# Altium PCB PCB.PcbDoc
Units mm, origin at the board's own origin, x right, y up, seen from the top; angles counter-clockwise.
Board outline 85 x 56 mm, 2 copper layers (Top Layer, Bottom Layer), stack 1.271 mm thick; 82 components, 64 nets, 335 pads, 236 vias.
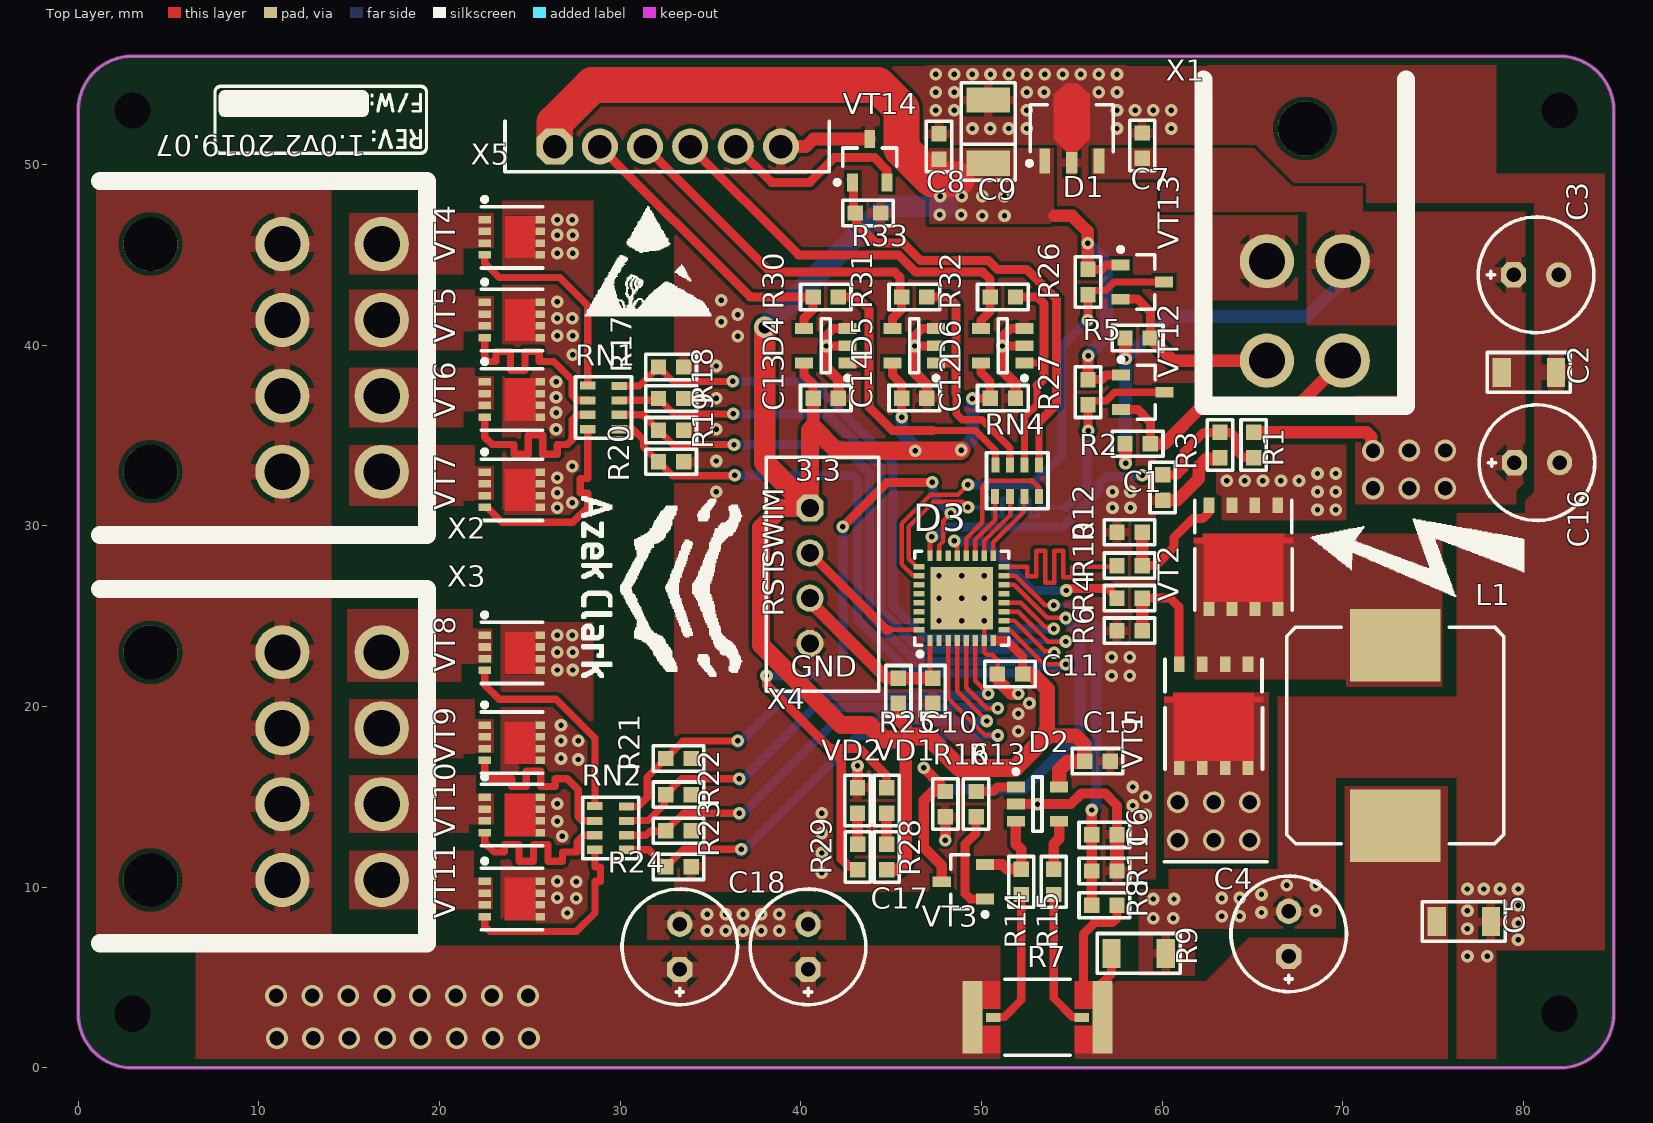
[diagram p0: Top Layer view]
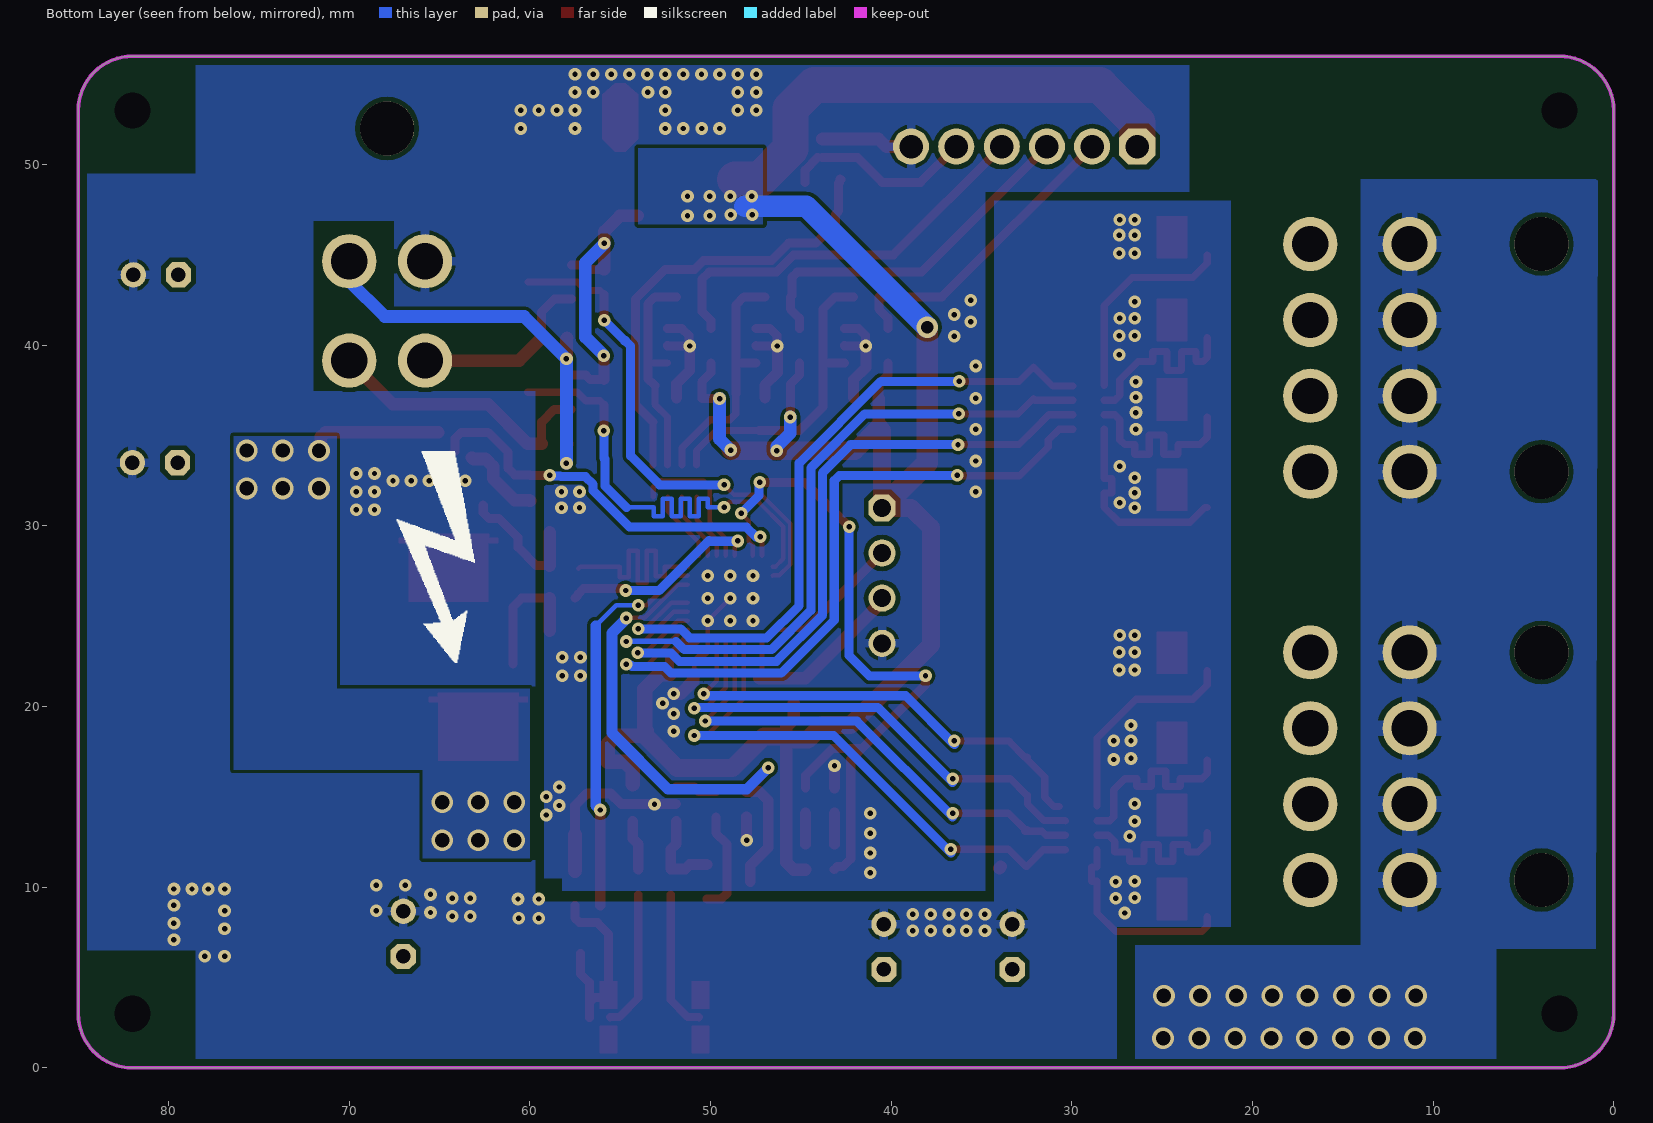
[diagram p1: Bottom Layer view, seen from below]
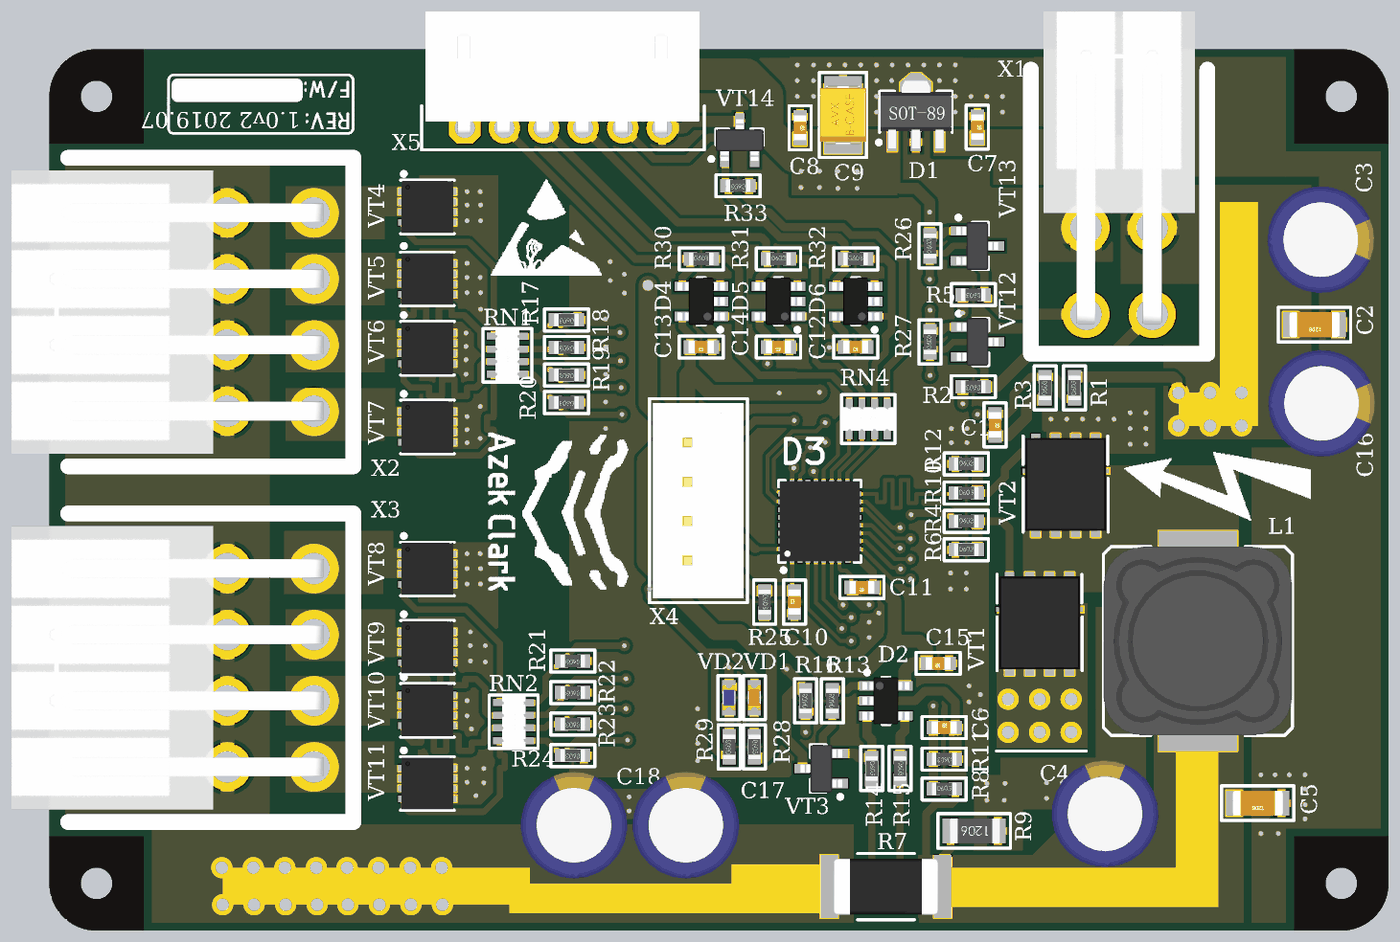
[diagram p2: 3D render of the assembled board from above, using the file's embedded part models]

## Layer stack, top to bottom
Top Solder: solder mask 0.0102, Solder Resist, Dk 3.5
Top Layer: signal copper 0.0356
Dielectric 1: dielectric 1.2, FR-4, Dk 4.8
Bottom Layer: signal copper 0.0356
Bottom Solder: solder mask 0.0102, Solder Resist, Dk 3.5

## Board outline
3,0 cw(c3,3) 0,3 0,53 cw(c3,53) 3,56 82,56 cw(c82,53) 85,53 85,3 cw(c82,3) 82,0

## Design rules (kind name [scope] priority, off if disabled: settings)
BoardOutlineClearance [All] p1: gap=0.3 ignorepadtopadclearanceinfootprint=FALSE
Clearance Clearance_9 [InNamedPolygon('VCC33_L02_P030')] p1: gap=0.2 ignorepadtopadclearanceinfootprint=FALSE except(0: Arc-Fill Arc-Poly Arc-Region Arc-Hole Track-Fill Track-Poly Track-Region Track-Hole SMDPad-Hole THPad-Hole Via-Hole Fill-Hole Poly-Hole Region-Hole Text-Hole)
Clearance Clearance_8 [InNamedPolygon('VCC33_L01_P028')] p2: gap=0.2 ignorepadtopadclearanceinfootprint=FALSE except(0: Arc-Hole Track-Poly Track-Hole SMDPad-Poly SMDPad-Hole THPad-Hole Via-Hole Fill-Hole Poly-Hole Region-Hole Text-Hole)
Clearance Clearance_7 [InNamedPolygon('GND_L01_P020')] p3: gap=0.2 ignorepadtopadclearanceinfootprint=FALSE except(0: Arc-Hole Track-Hole SMDPad-Hole THPad-Hole Via-Hole Fill-Fill Fill-Poly Fill-Region Fill-Hole Poly-Poly Poly-Region Poly-Hole Region-Region Region-Hole Text-Hole)
Clearance Clearance_6 [InNamedPolygon('GND_L01_P024')] p4: gap=0.2 ignorepadtopadclearanceinfootprint=FALSE except(0: Arc-Hole Track-Hole SMDPad-Hole THPad-Hole Via-Hole Fill-Fill Fill-Poly Fill-Region Fill-Hole Poly-Poly Poly-Region Poly-Hole Region-Region Region-Hole Text-Hole)
Clearance Clearance_5 [InNamedPolygon('NONET_L01_P052')] p5: gap=0.2 ignorepadtopadclearanceinfootprint=FALSE except(0: Arc-Hole Track-Hole SMDPad-Hole THPad-Hole Via-Hole Fill-Fill Fill-Poly Fill-Region Fill-Hole Poly-Poly Poly-Region Poly-Hole Region-Region Region-Hole Text-Hole)
Clearance Clearance_4 [InNamedPolygon('NONET_L01_P048')] p6: gap=0.2 ignorepadtopadclearanceinfootprint=FALSE except(0: Arc-Hole Track-Hole SMDPad-Hole THPad-Hole Via-Hole Fill-Fill Fill-Poly Fill-Region Fill-Hole Poly-Poly Poly-Region Poly-Hole Region-Hole Text-Hole; 0.4: Region-Region)
Clearance Clearance_1 [InNamedPolygon('NONET_L01_P058')] p7: gap=0 ignorepadtopadclearanceinfootprint=FALSE except(0.2: Arc-Arc Arc-Track Arc-SMDPad Arc-THPad Arc-Via Arc-Text Track-Track Track-SMDPad Track-THPad Track-Via Track-Text SMDPad-SMDPad SMDPad-THPad SMDPad-Via SMDPad-Text THPad-THPad THPad-Via THPad-Text Via-Via Via-Text Fill-Text Poly-Poly Poly-Text Region-Text Text-Text)
Clearance Clearance_3 [InNamedPolygon('NONET_L02_P022')] p8: gap=0.2 ignorepadtopadclearanceinfootprint=FALSE except(0: Arc-Hole Track-Hole SMDPad-Hole THPad-Hole Via-Fill Via-Poly Via-Region Via-Hole Fill-Hole Poly-Hole Region-Hole Text-Hole; 1: Arc-Fill Arc-Poly Arc-Region Track-Fill Track-Poly Track-Region SMDPad-Fill SMDPad-Poly SMDPad-Region THPad-Fill THPad-Poly THPad-Region Fill-Fill Fill-Poly Fill-Region Poly-Poly Poly-Region Region-Region)
Clearance Clearance_2 [InNamedPolygon('NONET_L01_P028')] p9: gap=0 ignorepadtopadclearanceinfootprint=FALSE except(0.2: Arc-Arc Arc-Track Arc-SMDPad Arc-THPad Arc-Via Arc-Text Track-Track Track-SMDPad Track-THPad Track-Via Track-Text SMDPad-SMDPad SMDPad-THPad SMDPad-Via SMDPad-Text THPad-THPad THPad-Via THPad-Text Via-Via Via-Text Fill-Text Poly-Poly Poly-Text Region-Text Text-Text)
Clearance Clearance_NPTH [All vs InPadClass('NPTH')] p10: gap=0.4 ignorepadtopadclearanceinfootprint=FALSE except(0: Arc-Hole Track-Hole SMDPad-Hole THPad-Hole Via-Hole Fill-Hole Poly-Hole Region-Hole Text-Hole)
Clearance Clearance_MultiLayerPad [OnLayer('Multi-Layer') and IsPad] p11: gap=0.25 ignorepadtopadclearanceinfootprint=FALSE except(0: Arc-Hole Track-Hole SMDPad-Hole THPad-Hole Via-Hole Fill-Hole Poly-Hole Region-Hole Text-Hole)
Clearance Clearance_Polygon [InPolygon] p12: gap=0.2 ignorepadtopadclearanceinfootprint=FALSE except(0: Arc-Hole Track-Hole SMDPad-Hole THPad-Hole Via-Hole Fill-Poly Fill-Hole Poly-Region Poly-Hole Region-Hole Text-Hole)
Clearance [All] p13: gap=0.15 ignorepadtopadclearanceinfootprint=TRUE except(0: Arc-Hole Track-Hole SMDPad-Hole THPad-Hole Via-Hole Fill-Hole Poly-Hole Region-Hole Text-Hole)
DiffPairsRouting [All] p1: maxlimit=0.254 minlimit=0.2 mostfreqgap=0.254 toplayer_minwidth=0.2 toplayer_maxwidth=0.5 toplayer_prefwidth=0.3 bottomlayer_minwidth=0.2 bottomlayer_maxwidth=0.5 bottomlayer_prefwidth=0.3 maxuncoupledlength=12.7
Height [All] p1: minheight=0 maxheight=60 prefheight=12.7
HoleSize [All] p1: absolutevalues=TRUE maxlimit=5 minlimit=0.025 maxpercent=80.000 minpercent=20.000
HoleToHoleClearance [All] p1: gap=0.2 allowstackedmicrovias=TRUE
MatchedLengths [InNetClass('STM8_I2C')] p1: tolerance=0.1 checknetsindiffpair=FALSE checkdiffpairvsdiffpair=TRUE checkxsignals=TRUE checkothers=TRUE
MatchedLengths MatchedLengths_1 [InNetClass('DCDC_PWM')] p2: tolerance=0.1 checknetsindiffpair=FALSE checkdiffpairvsdiffpair=TRUE checkxsignals=TRUE checkothers=TRUE
MinimumSolderMaskSliver [All] p1: minsoldermaskwidth=0.05
PlaneClearance [All] p1: clearance=0.5
PlaneConnect [All] p1: planeconnectstyle=Relief reliefexpansion=0.5 reliefentries=4 reliefconductorwidth=0.3 reliefairgap=0.2
PolygonConnect PolygonConnect_2 [All vs IsNamedPolygon('GND_L01_P105')] p1: connectstyle=Direct reliefconductorwidth=0.254 reliefentries=4 polygonreliefangle="90 Angle" airgapwidth=0.254
PolygonConnect PolygonConnect_1 [All vs IsNamedPolygon('GND_L01_P064')] p2: thpad.connectstyle=Relief thpad.reliefconductorwidth=2 thpad.reliefentries=4 thpad.polygonreliefangle="90 Angle" thpad.airgapwidth=0.3 smdpad.connectstyle=Relief smdpad.reliefconductorwidth=0.9 smdpad.reliefentries=4 smdpad.polygonreliefangle="90 Angle" smdpad.airgapwidth=0.3 via.connectstyle=Direct via.reliefconductorwidth=0.254 via.reliefentries=4 via.polygonreliefangle="90 Angle" via.airgapwidth=0.254
PolygonConnect PolygonConnect_38 [All vs IsNamedPolygon('NETC4_1_L01_P042')] p3: connectstyle=Direct reliefconductorwidth=0.254 reliefentries=4 polygonreliefangle="90 Angle" airgapwidth=0.254
PolygonConnect PolygonConnect_37 [All vs IsNamedPolygon('NETL1_2_L01_P052')] p4: connectstyle=Direct reliefconductorwidth=0.254 reliefentries=4 polygonreliefangle="90 Angle" airgapwidth=0.254
PolygonConnect PolygonConnect_36 [All vs IsNamedPolygon('VCC33_L01_P028')] p5: connectstyle=Direct reliefconductorwidth=0.254 reliefentries=4 polygonreliefangle="90 Angle" airgapwidth=0.254
PolygonConnect PolygonConnect_35 [All vs IsNamedPolygon('GND_L01_P024')] p6: connectstyle=Direct reliefconductorwidth=0.254 reliefentries=4 polygonreliefangle="90 Angle" airgapwidth=0.254
PolygonConnect PolygonConnect_34 [All vs IsNamedPolygon('GND_L01_P020')] p7: connectstyle=Direct reliefconductorwidth=0.254 reliefentries=4 polygonreliefangle="90 Angle" airgapwidth=0.254
PolygonConnect PolygonConnect_33 [All vs IsNamedPolygon('NETVT10_2_L01_P006')] p8: connectstyle=Direct reliefconductorwidth=0.254 reliefentries=4 polygonreliefangle="90 Angle" airgapwidth=0.254
PolygonConnect PolygonConnect_32 [All vs IsNamedPolygon('NETVT11_2_L01_P004')] p9: connectstyle=Direct reliefconductorwidth=0.254 reliefentries=4 polygonreliefangle="90 Angle" airgapwidth=0.254
PolygonConnect PolygonConnect_31 [All vs IsNamedPolygon('NETVT4_2_L01_P018')] p10: connectstyle=Direct reliefconductorwidth=0.254 reliefentries=4 polygonreliefangle="90 Angle" airgapwidth=0.254
PolygonConnect PolygonConnect_30 [All vs IsNamedPolygon('NETVT5_2_L01_P016')] p11: connectstyle=Direct reliefconductorwidth=0.254 reliefentries=4 polygonreliefangle="90 Angle" airgapwidth=0.254
PolygonConnect PolygonConnect_29 [All vs IsNamedPolygon('NETVT6_2_L01_P014')] p12: connectstyle=Direct reliefconductorwidth=0.254 reliefentries=4 polygonreliefangle="90 Angle" airgapwidth=0.254
PolygonConnect PolygonConnect_28 [All vs IsNamedPolygon('NETVT7_2_L01_P012')] p13: connectstyle=Direct reliefconductorwidth=0.254 reliefentries=4 polygonreliefangle="90 Angle" airgapwidth=0.254
PolygonConnect PolygonConnect_27 [All vs IsNamedPolygon('NETVT8_2_L01_P010')] p14: connectstyle=Direct reliefconductorwidth=0.254 reliefentries=4 polygonreliefangle="90 Angle" airgapwidth=0.254
PolygonConnect PolygonConnect_26 [All vs IsNamedPolygon('NETVT9_2_L01_P008')] p15: connectstyle=Direct reliefconductorwidth=0.254 reliefentries=4 polygonreliefangle="90 Angle" airgapwidth=0.254
PolygonConnect PolygonConnect_PowerPAD [All vs InPadClass('PowerPAD')] p16: connectstyle=Relief reliefconductorwidth=1 reliefentries=4 polygonreliefangle="90 Angle" airgapwidth=0.3
PolygonConnect PolygonConnect_PadGND [InNet('GND') and IsPad] p17: connectstyle=Relief reliefconductorwidth=0.5 reliefentries=4 polygonreliefangle="90 Angle" airgapwidth=0.2
PolygonConnect PolygonConnect_Via [IsVia] p18: connectstyle=Direct reliefconductorwidth=0.254 reliefentries=4 polygonreliefangle="90 Angle" airgapwidth=0.254
PolygonConnect [All] p19: thpad.connectstyle=Relief thpad.reliefconductorwidth=0.9 thpad.reliefentries=4 thpad.polygonreliefangle="90 Angle" thpad.airgapwidth=0.3 smdpad.connectstyle=Direct smdpad.reliefconductorwidth=0.6 smdpad.reliefentries=4 smdpad.polygonreliefangle="90 Angle" smdpad.airgapwidth=0.3 via.connectstyle=Direct via.reliefconductorwidth=0.6 via.reliefentries=4 via.polygonreliefangle="90 Angle" via.airgapwidth=0.3
RoutingVias [All] p1: holewidth=0.3 width=0.7 viastyle="Through Hole" minholewidth=0.3 minwidth=0.7 maxholewidth=0.5 maxwidth=1.2
SilkToSilkClearance [All] p1: silktosilkclearance=0
SilkToSolderMaskClearance [IsPad] p1: minsilkscreentomaskgap=0.05 clearancetoexposedcopper=TRUE
SolderMaskExpansion [All] p1: expansion=0.075
Width [All] p1: maxlimit=10 minlimit=0.15 preferedwidth=0.15
21 further rules are at their usual default settings.

## Classes and differential pairs
net class PWM_LED1: PWM_LED1_BLUE PWM_LED1_GREEN PWM_LED1_RED PWM_LED1_WW
net class STM8_I2C: STM8_I2C_SCL STM8_I2C_SDA
net class DCDC_PWM: DCDC_PWM_N DCDC_PWM_P
component class Power: C1 C2 C3 C4 C5 C6 C7 C8 C9 C15 C16 C17 C18 D1 D2 L1 R1 R2 R3 R4 R5 R6 R7 R8 R9 R10 R11 R12 R13 R14 R15 R16 VT1 VT2 VT3 X1
component class MCU: C10 C11 D3 R25 R26 R27 R28 R29 VD1 VD2 VT12 VT13 X4
component class "LED Connection": R17 R18 R19 R20 R21 R22 R23 R24 RN1 RN2 VT4 VT5 VT6 VT7 VT8 VT9 VT10 VT11 X2 X3
component class "IR Range": C12 C13 C14 D4 D5 D6 R30 R31 R32 R33 RN4 VT14 X5
differential pair DCDC_PWM: +DCDC_PWM_P -DCDC_PWM_N

## Components (designator, comment, footprint, x,y, rotation, side; value= is the part's Value field where it differs from the comment)
C1 "0.1µF" CH0603C 60.025,32.13 r270 top
C2 "4.7µF" CH1206C 80.3,38.5 r180 top
C3 "100µF" D6.3C2.5H11 80.7,43.9 r0 top
C4 "100µF" D6.3C2.5H11 67.005,7.42 r90 top
C5 "4.7µF" CH1206C 76.7,8.1 r180 top
C6 "0.1µF" CH0603C 56.8,12.9 r0 top
C7 "1µF" CH0603C 58.9,51.05 r270 top
C8 "1µF" CH0603C 47.65,51 r270 top
C9 "22µF" TANTAL_B 50.375,51.825 r90 top
C10 "10nF" CH0603C 47.3,20.875 r90 top
C11 "0.1µF" CH0603C 51.58,21.8 r180 top
C12 "0.1µF" CH0603C 51.18,37.075 r180 top
C13 "0.1µF" CH0603C 41.38,37.075 r180 top
C14 "0.1µF" CH0603C 46.28,37.075 r180 top
C15 "0.1µF" CH0603C 56.418,16.982 r180 top
C16 "100µF" D6.3C2.5H11 80.75,33.5 r0 top
C17 "100µF" D6.3C2.5H11 40.4,6.7 r90 top
C18 "100µF" D6.3C2.5H11 33.3,6.7 r90 top
D1 "L78L33ACUTR" SOT89_123 55,52 r90 top
D2 "MCP6051T-E/OT" SOT23-5 53.1,14.6 r0 top
D3 "STM8L151KxU6" 32-UFQFPN 48.9,26 r90 top
D4 "MCP6001T" SOT23-5 41.38,39.975 r180 top
D5 "MCP6001T" SOT23-5 46.28,39.975 r180 top
D6 "MCP6001T" SOT23-5 51.18,39.975 r180 top
L1 "10µH" "IND: CDRH127" 72.9,18.4 r90 top
R1 "18k" CH0603R 65.065,34.48 r90 top
R2 "1k5" CH0603R 58.645,34.55 r180 top
R3 "2k" CH0603R 63.205,34.48 r90 top
R4 "22" CH0603R 58.2,26 r0 top
R5 "1k5" CH0603R 58.645,40.4 r180 top
R6 "10k" CH0603R 58.2,24.2 r0 top
R7 "0.01" "SHNT: CRA2512" 53.1,2.8 r180 top
R8 "20k" CH0603R 56.8,9 r0 top
R9 "1M" CH1206R 58.7,6.336 r180 top
R10 "22" CH0603R 58.2,27.8 r0 top
R11 "4k7" CH0603R 56.8,10.9 r180 top
R12 "10k" CH0603R 58.2,29.65 r0 top
R13 "22" CH0603R 49.7,14.6 r90 top
R14 "220" CH0603R 52.2,10.3 r270 top
R15 "220" CH0603R 54,10.3 r270 top
R16 "2k" CH0603R 48,14.6 r90 top
R17 "10k" CH0603R 32.825,38.8 r180 top
R18 "10k" CH0603R 32.825,37.05 r180 top
R19 "10k" CH0603R 32.825,35.3 r180 top
R20 "10k" CH0603R 32.825,33.55 r180 top
R21 "10k" CH0603R 33.225,17.125 r180 top
R22 "10k" CH0603R 33.225,15.125 r180 top
R23 "10k" CH0603R 33.225,13.125 r180 top
R24 "10k" CH0603R 33.225,11.125 r180 top
R25 "10k" CH0603R 45.4,20.875 r270 top
R26 "1k5" CH0603R 55.895,43.5 r90 top
R27 "1k5" CH0603R 55.895,37.4 r90 top
R28 "510" CH0603R 44.75,11.675 r270 top
R29 "510" CH0603R 43.15,11.675 r90 top
R30 "10k" CH0603R 41.38,42.675 r0 top
R31 "10k" CH0603R 46.28,42.675 r0 top
R32 "10k" CH0603R 51.18,42.675 r0 top
R33 "10k" CH0603R 43.715,47.32 r180 top
RN1 "22" "CH0603Rx4 (1206)" 29.075,36.55 r180 top
RN2 "22" "CH0603Rx4 (1206)" 29.475,13.275 r180 top
RN4 "22" "CH0603Rx4 (1206)" 51.98,32.5 r270 top
VD1 "RED" CH0603LR 44.75,14.8 r90 top
VD2 "BLUE" CH0603LB 43.137,14.8 r90 top
VT1 "RS1G120MNTB" 8-TDSON 62.855,19.525 r180 top
VT2 "RS1G120MNTB" 8-TDSON 64.505,28.325 r180 top
VT3 "2N7002" SOT23_132 49,10.3 r180 top
VT4 "DMG7430LFG-7" "TRANS: PowerDI®3333-8" 24,45.975 r90 top
VT5 "DMG7430LFG-7" "TRANS: PowerDI®3333-8" 24,41.4 r90 top
VT6 "DMG7430LFG-7" "TRANS: PowerDI®3333-8" 24,37 r90 top
VT7 "DMG7430LFG-7" "TRANS: PowerDI®3333-8" 24,32 r90 top
VT8 "DMG7430LFG-7" "TRANS: PowerDI®3333-8" 24,22.975 r90 top
VT9 "DMG7430LFG-7" "TRANS: PowerDI®3333-8" 24,18 r90 top
VT10 "DMG7430LFG-7" "TRANS: PowerDI®3333-8" 24,14 r90 top
VT11 "DMG7430LFG-7" "TRANS: PowerDI®3333-8" 24,9.35 r90 top
VT12 "2N7002" SOT23_132 58.92,37.4 r0 top
VT13 "2N7002" SOT23_132 58.9,43.5 r0 top
VT14 "2N7002" SOT23_132 43.816,50.22 r90 top
X1 "MF-4MRA" "CON: MF-4MRA" 67.9,41.9 r180 top
X2 "MF-8MRA" "CON: MF-8MRA" 14.05,39.3 r270 top
X3 "MF-8MRA" "CON: MF-8MRA" 14.05,16.7 r270 top
X4 "CWF-4" "CON: CWF-4" 40.5,27.25 r270 top
X5 "CWF-6RB" "CON: CWF-6RB" 32.625,51 r0 top

## Footprints (in the part's own frame and the unit in brackets; to place one, negate y for a bottom-side part, rotate by r counter-clockwise, add the part's x,y. Pads: shape width x height; smd on the part's side, far side on the other; paste and mask are expansions set on the pad)
8-TDSON [mm]
  rect 0.59x0.85 smd: 1(1.91,-2.825) 3(-1.9,-2.825) 3(-0.63,-2.825) 3(0.64,-2.825)
  rect 0.6x0.8 smd: 2(-1.905,2.925) 2(-0.635,2.925) 2(0.635,2.925) 2(1.905,2.925)
  round 0.5 on Mech1: ""(2.1,-2.4)
  Top Layer region: -2.75,-1.025 -2.25,-1.025 -2.25,-1.25 2.25,-1.25 2.25,-1.025 2.75,-1.025 2.75,-1.025 2.75,-0.725 -2.75,-0.725
  Top Layer region: -2.21,2.525 -1.65,2.525 -0.95,2.525 -0.35,2.525 0.35,2.525 0.95,2.525 1.65,2.525 2.2,2.525 2.2,-0.725 2.75,-0.725 2.75,-1.025 -2.75,-1.025 -2.75,-0.725 -2.21,-0.725
  silkscreen extent -2.7,-3.1 2.7,3, body extent -2.67,-3.1 2.68,3.05, height 1.03
32-UFQFPN [mm] "32-lead, 5 x 5 mm, 0.5 mm pitch"
  rect 3.45x3.45 smd: 0(0,0)
  rect 0.6x0.3 smd: 1(-2.35,1.75) 2(-2.35,1.25) 3(-2.35,0.75) 4(-2.35,0.25) 5(-2.35,-0.25) 6(-2.35,-0.75) 7(-2.35,-1.25) 8(-2.35,-1.75) 17(2.35,-1.75) 18(2.35,-1.25) 19(2.35,-0.75) 20(2.35,-0.25) 21(2.35,0.25) 22(2.35,0.75) 23(2.35,1.25) 24(2.35,1.75)
  rect 0.3x0.6 smd: 9(-1.75,-2.35) 10(-1.25,-2.35) 11(-0.75,-2.35) 12(-0.25,-2.35) 13(0.25,-2.35) 14(0.75,-2.35) 15(1.25,-2.35) 16(1.75,-2.35) 25(1.75,2.35) 26(1.25,2.35) 27(0.75,2.35) 28(0.25,2.35) 29(-0.25,2.35) 30(-0.75,2.35) 31(-1.25,2.35) 32(-1.75,2.35)
  silkscreen extent -3.2,-2.6 2.6,2.6, body extent -2.56,-2.56 2.56,2.56, height 0.6
CH0603C [mm] "Chip Capacitor, 2-Leads, Body 1,53x0,85mm, IPC Medium Density"
  rect 0.85x0.85 smd: 1(-0.7,0) 2(0.7,0)
  silkscreen extent -1.4,-0.7 1.4,0.7, body extent -0.8,-0.4 0.8,0.4, height 0.3
CH0603LB [mm] "Chip Capacitor, 2-Leads, Body 1,53x0,85mm, IPC Medium Density"
  rect 0.85x0.85 smd: 1(-0.7,0) 2(0.7,0)
  silkscreen extent -1.4,-0.7 1.4,0.7, body extent -0.8,-0.4 0.8,0.4, height 0.6
CH0603LR [mm] "Chip Capacitor, 2-Leads, Body 1,53x0,85mm, IPC Medium Density"
  rect 0.85x0.85 smd: 1(-0.7,0) 2(0.7,0)
  silkscreen extent -1.4,-0.7 1.4,0.7, body extent -0.8,-0.4 0.8,0.4, height 0.6
CH0603R [mm]
  rect 0.85x0.85 smd: 1(-0.7,0) 2(0.7,0)
  silkscreen extent -1.4,-0.7 1.4,0.7, body extent -0.8,-0.4 0.8,0.4, height 0.44
"CH0603Rx4 (1206)" [mm] "Resistor assembly 0603x4, 0.5mm height"
  rect 0.85x0.45 smd: 1(-0.875,1.2) 2(-0.875,0.4) 3(-0.875,-0.4) 4(-0.875,-1.2) 5(0.875,-1.225) 6(0.875,-0.4) 7(0.875,0.4) 8(0.875,1.2)
  silkscreen extent -1.55,-1.7 1.55,1.7, body extent -0.75,-1.6 0.75,1.6, height 0.51
CH1206C [mm] "Non polar chip capacitor, size 1206"
  rect 1x1.6 smd: 1(-1.5,0) 2(1.5,0)
  silkscreen extent -2.3,-1.1 2.3,1.1, body extent -1.6,-0.8 1.6,0.8, height 1
CH1206R [mm] "Chip Resistor, 2-Leads, Body 3,0x1,5mm, IPC Low Density"
  rect 1x1.6 smd: 1(-1.5,0) 2(1.5,0)
  silkscreen extent -2.3,-1.1 2.3,1.1, body extent -1.65,-0.8 1.55,0.8, height 0.47
"CON: CWF-4" [mm]
  oct 1.5x1.5 hole 1: 1(-3.75,0)
  round 1.5 hole 1: 2(-1.25,0) 3(1.25,0) 4(3.75,0)
  round 0.5 on Mech1: 30(-5.9,-1.8)
  silkscreen extent -6.54,-2.41 6.41,3.81, body extent -6.27,-2.19 6.13,3.56, height 7
"CON: CWF-6RB" [mm] "XH2.54 6 pin, angled"
  oct 2x2 hole 1.3: 1(-6.25,0)
  round 2 hole 1.3: 2(-3.75,0) 3(-1.25,0) 4(1.25,0) 5(3.775,0) 6(6.275,0)
  round 0.5 on Mech1: 30(-8.4,0)
  silkscreen extent -9,-1.4 8.95,1.4, body extent -8.75,-0.4 8.65,7.4, height 5.75
"CON: MF-4MRA" [mm] "Mini–Fit, 4.2mm pitch,"
  round 3 hole 3: 0(0,-10.1)
  round 3 hole 2: 1(-2.1,-2.75) 2(2.1,-2.75) 3(-2.1,2.75) 4(2.1,2.75)
  silkscreen extent -5.6,-12.8 5.6,5.25, body extent -4.8,-16.5 4.8,3.35, height 11.33
"CON: MF-8MRA" [mm] "Mini–Fit, 4.2mm pitch,"
  round 3 hole 3 unplated: 0(-6.3,-10.05) 0(6.3,-10.05)
  round 3 hole 2: 1(-6.3,-2.75) 2(-2.1,-2.75) 3(2.1,-2.75) 4(6.3,-2.75) 5(-6.3,2.75) 6(-2.1,2.75) 7(2.1,2.75) 8(6.3,2.75)